# Altium PCB keyboard.PcbDoc (part 2 of 2) (continued)
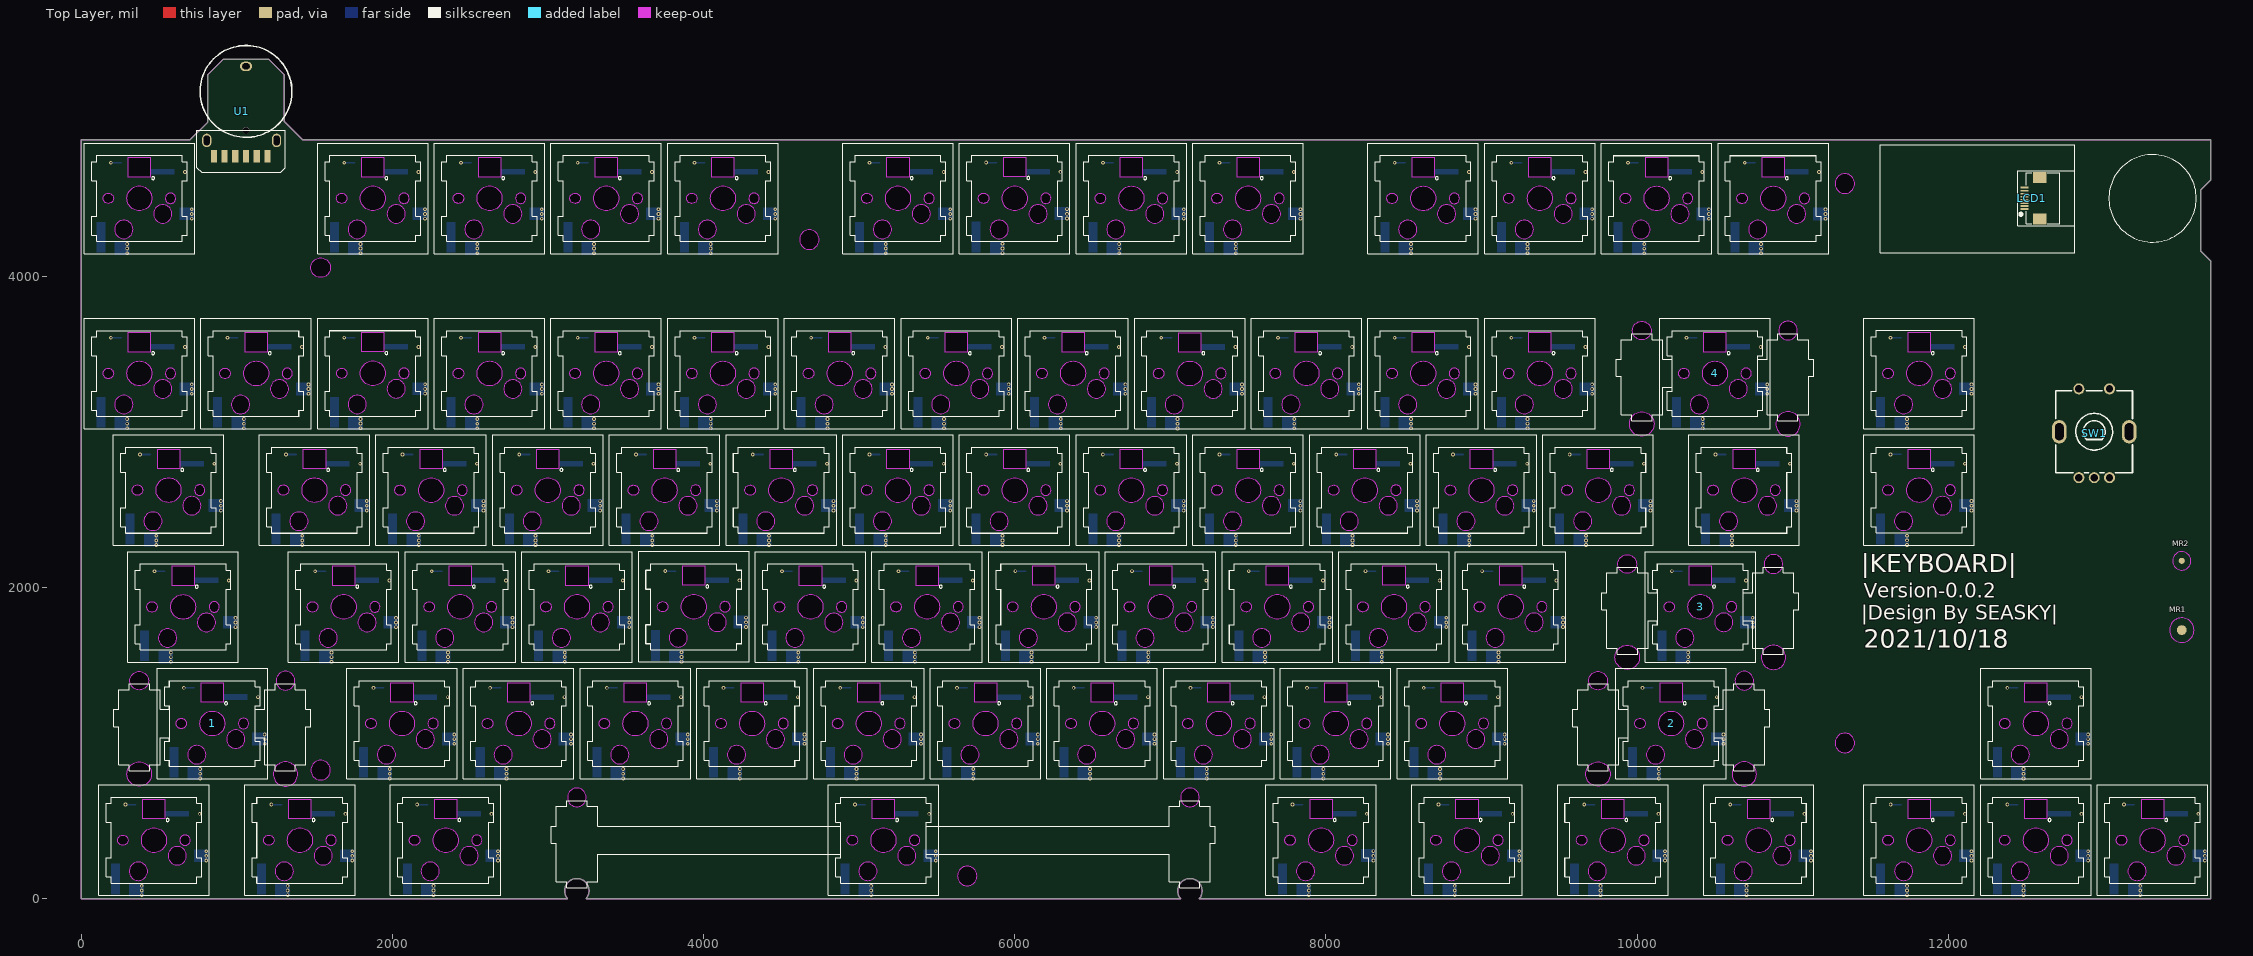
[diagram p0: Top Layer view]
## Nets (pads, with @x,y where several pads share a name; then routed paths per layer and width w, separated by ;. In a path a pad name is that pad's centre, name@x,y a point inside that pad or via, vN(x,y) a via of type N, cw(c..) or ccw(c..) an arc to the next point about the centre after c; other vN are vias at no path point) (continued)
NetRGB1_KEY7_4: RGB1_KEY6.6 RGB1_KEY7.4
NetRGB1_KEY8_4: RGB1_KEY7.6 RGB1_KEY8.4
NetRGB1_KEY9_4: RGB1_KEY8.6 RGB1_KEY9.4
NetRGB1_KEY10_4: RGB1_KEY9.6 RGB1_KEY10.4
NetRGB1_KEY11_4: RGB1_KEY10.6 RGB1_KEY11.4
NetRGB1_KEY12_4: RGB1_KEY11.6 RGB1_KEY12.4
NetRGB1_KEY14_4: RGB1_KEY13.6 RGB1_KEY14.4
NetRGB1_KEY15_4: RGB1_KEY14.6 RGB1_KEY15.4
NetRGB1_KEY16_4: RGB1_KEY15.6 RGB1_KEY16.4
NetRGB1_KEY17_4: RGB1_KEY16.6 RGB1_KEY17.4
NetRGB1_KEY18_4: RGB1_KEY17.6 RGB1_KEY18.4
NetRGB1_KEY19_4: RGB1_KEY18.6 RGB1_KEY19.4
NetRGB1_KEY20_4: RGB1_KEY19.6 RGB1_KEY20.4
NetRGB1_KEY21_4: RGB1_KEY20.6 RGB1_KEY21.4
NetRGB1_KEY22_4: RGB1_KEY21.6 RGB1_KEY22.4
NetRGB1_KEY23_4: RGB1_KEY22.6 RGB1_KEY23.4
NetRGB1_KEY24_4: RGB1_KEY23.6 RGB1_KEY24.4
NetRGB1_KEY25_4: RGB1_KEY24.6 RGB1_KEY25.4
NetRGB1_KEY27_4: RGB1_KEY26.6 RGB1_KEY27.4
NetRGB1_KEY28_4: RGB1_KEY27.6 RGB1_KEY28.4
NetRGB1_KEY29_4: RGB1_KEY28.6 RGB1_KEY29.4
NetRGB1_KEY30_4: RGB1_KEY29.6 RGB1_KEY30.4
NetRGB1_KEY31_4: RGB1_KEY30.6 RGB1_KEY31.4
NetRGB1_KEY32_4: RGB1_KEY31.6 RGB1_KEY32.4
NetRGB1_KEY33_4: RGB1_KEY32.6 RGB1_KEY33.4
NetRGB1_KEY34_4: RGB1_KEY33.6 RGB1_KEY34.4
NetRGB1_KEY35_4: RGB1_KEY34.6 RGB1_KEY35.4
NetRGB1_KEY36_4: RGB1_KEY35.6 RGB1_KEY36.4
NetRGB1_KEY37_4: RGB1_KEY36.6 RGB1_KEY37.4
NetRGB1_KEY38_4: RGB1_KEY37.6 RGB1_KEY38.4
NetRGB1_KEY39_4: RGB1_KEY38.6 RGB1_KEY39.4
NetRGB1_KEY41_4: RGB1_KEY40.6 RGB1_KEY41.4
NetRGB1_KEY42_4: RGB1_KEY41.6 RGB1_KEY42.4
NetRGB1_KEY43_4: RGB1_KEY42.6 RGB1_KEY43.4
NetRGB1_KEY44_4: RGB1_KEY43.6 RGB1_KEY44.4
NetRGB1_KEY45_4: RGB1_KEY44.6 RGB1_KEY45.4
NetRGB1_KEY46_4: RGB1_KEY45.6 RGB1_KEY46.4
NetRGB1_KEY47_4: RGB1_KEY46.6 RGB1_KEY47.4
NetRGB1_KEY48_4: RGB1_KEY47.6 RGB1_KEY48.4
NetRGB1_KEY49_4: RGB1_KEY48.6 RGB1_KEY49.4
NetRGB1_KEY50_4: RGB1_KEY49.6 RGB1_KEY50.4
NetRGB1_KEY51_4: RGB1_KEY50.6 RGB1_KEY51.4
NetRGB1_KEY52_4: RGB1_KEY51.6 RGB1_KEY52.4
NetRGB1_KEY53_4: RGB1_KEY52.6 RGB1_KEY53.4
NetRGB1_KEY55_4: RGB1_KEY54.6 RGB1_KEY55.4
NetRGB1_KEY56_4: RGB1_KEY55.6 RGB1_KEY56.4
NetRGB1_KEY57_4: RGB1_KEY56.6 RGB1_KEY57.4
NetRGB1_KEY58_4: RGB1_KEY57.6 RGB1_KEY58.4
NetRGB1_KEY59_4: RGB1_KEY58.6 RGB1_KEY59.4
NetRGB1_KEY60_4: RGB1_KEY59.6 RGB1_KEY60.4
NetRGB1_KEY61_4: RGB1_KEY60.6 RGB1_KEY61.4
NetRGB1_KEY62_4: RGB1_KEY61.6 RGB1_KEY62.4
NetRGB1_KEY63_4: RGB1_KEY62.6 RGB1_KEY63.4
NetRGB1_KEY64_4: RGB1_KEY63.6 RGB1_KEY64.4
NetRGB1_KEY65_4: RGB1_KEY64.6 RGB1_KEY65.4
NetRGB1_KEY66_4: RGB1_KEY65.6 RGB1_KEY66.4
NetRGB1_KEY67_4: RGB1_KEY66.6 RGB1_KEY67.4
NetRGB1_KEY69_4: RGB1_KEY68.6 RGB1_KEY69.4
NetRGB1_KEY70_4: RGB1_KEY69.6 RGB1_KEY70.4
NetRGB1_KEY71_4: RGB1_KEY70.6 RGB1_KEY71.4
NetRGB1_KEY72_4: RGB1_KEY71.6 RGB1_KEY72.4
NetRGB1_KEY73_4: RGB1_KEY72.6 RGB1_KEY73.4
NetRGB1_KEY74_4: RGB1_KEY73.6 RGB1_KEY74.4
NetRGB1_KEY75_4: RGB1_KEY74.6 RGB1_KEY75.4
NetRGB1_KEY76_4: RGB1_KEY75.6 RGB1_KEY76.4
NetRGB1_KEY77_4: RGB1_KEY76.6 RGB1_KEY77.4
NetRGB1_KEY78_4: RGB1_KEY78.4 RGB1_KEY80.6
NetRGB1_KEY79_4: RGB1_KEY77.6 RGB1_KEY79.4
NetRGB1_KEY80_4: RGB1_KEY79.6 RGB1_KEY80.4
RES: 5.35 LCD1.3
RS: 5.36 LCD1.4
SCL: 5.38 LCD1.6
SDA: 5.37 LCD1.5
SW_KEY_A: 5.4 SW1.A
SW_KEY_B: 5.3 SW1.B
SW_KEY_NET2: 5.5 SW1.2
VCC3V3: 5.33 C1_KEY1.1 C1_KEY2.1 C1_KEY3.1 C1_KEY4.1 C1_KEY5.1 C1_KEY6.1 C1_KEY7.1 C1_KEY8.1 C1_KEY9.1 C1_KEY10.1 C1_KEY11.1 C1_KEY12.1 C1_KEY13.1 C1_KEY14.1 C1_KEY15.1 C1_KEY16.1 C1_KEY17.1 C1_KEY18.1 C1_KEY19.1 C1_KEY20.1 C1_KEY21.1 C1_KEY22.1 C1_KEY23.1 C1_KEY24.1 C1_KEY25.1 C1_KEY26.1 C1_KEY27.1 C1_KEY28.1 C1_KEY29.1 C1_KEY30.1 C1_KEY31.1 C1_KEY32.1 C1_KEY33.1 C1_KEY34.1 C1_KEY35.1 C1_KEY36.1 C1_KEY37.1 C1_KEY38.1 C1_KEY39.1 C1_KEY40.1 C1_KEY41.1 C1_KEY42.1 C1_KEY43.1 C1_KEY44.1 C1_KEY45.1 C1_KEY46.1 C1_KEY47.1 C1_KEY48.1 C1_KEY49.1 C1_KEY50.1 C1_KEY51.1 C1_KEY52.1 C1_KEY53.1 C1_KEY54.1 C1_KEY55.1 C1_KEY56.1 C1_KEY57.1 C1_KEY58.1 C1_KEY59.1 C1_KEY60.1 C1_KEY61.1 C1_KEY62.1 C1_KEY63.1 C1_KEY64.1 C1_KEY65.1 C1_KEY66.1 C1_KEY67.1 C1_KEY68.1 C1_KEY69.1 C1_KEY70.1 C1_KEY71.1 C1_KEY72.1 C1_KEY73.1 C1_KEY74.1 C1_KEY75.1 C1_KEY76.1 C1_KEY77.1 C1_KEY78.1 C1_KEY79.1 C1_KEY80.1 RGB1_KEY1.3 RGB1_KEY2.3 RGB1_KEY3.3 RGB1_KEY4.3 RGB1_KEY5.3 RGB1_KEY6.3 RGB1_KEY7.3 RGB1_KEY8.3 RGB1_KEY9.3 RGB1_KEY10.3 RGB1_KEY11.3 RGB1_KEY12.3 RGB1_KEY13.3 RGB1_KEY14.3 RGB1_KEY15.3 RGB1_KEY16.3 RGB1_KEY17.3 RGB1_KEY18.3 RGB1_KEY19.3 RGB1_KEY20.3 RGB1_KEY21.3 RGB1_KEY22.3 RGB1_KEY23.3 RGB1_KEY24.3 RGB1_KEY25.3 RGB1_KEY26.3 RGB1_KEY27.3 RGB1_KEY28.3 RGB1_KEY29.3 RGB1_KEY30.3 RGB1_KEY31.3 RGB1_KEY32.3 RGB1_KEY33.3 RGB1_KEY34.3 RGB1_KEY35.3 RGB1_KEY36.3 RGB1_KEY37.3 RGB1_KEY38.3 RGB1_KEY39.3 RGB1_KEY40.3 RGB1_KEY41.3 RGB1_KEY42.3 RGB1_KEY43.3 RGB1_KEY44.3 RGB1_KEY45.3 RGB1_KEY46.3 RGB1_KEY47.3 RGB1_KEY48.3 RGB1_KEY49.3 RGB1_KEY50.3 RGB1_KEY51.3 RGB1_KEY52.3 RGB1_KEY53.3 RGB1_KEY54.3 RGB1_KEY55.3 RGB1_KEY56.3 RGB1_KEY57.3 RGB1_KEY58.3 RGB1_KEY59.3 RGB1_KEY60.3 RGB1_KEY61.3 RGB1_KEY62.3 RGB1_KEY63.3 RGB1_KEY64.3 RGB1_KEY65.3 RGB1_KEY66.3 RGB1_KEY67.3 RGB1_KEY68.3 RGB1_KEY69.3 RGB1_KEY70.3 RGB1_KEY71.3 RGB1_KEY72.3 RGB1_KEY73.3 RGB1_KEY74.3 RGB1_KEY75.3 RGB1_KEY76.3 RGB1_KEY77.3 RGB1_KEY78.3 RGB1_KEY79.3 RGB1_KEY80.3
VCC_LCD: 5.39 LCD1.7
WS2812_CTR1: 5.9 RGB1_KEY78.6
WS2812_CTR2: 5.8 RGB1_KEY53.6
WS2812_CTR3: 5.7 RGB1_KEY25.6
pads on no net: 5.0 LCD1.0 MR1.Mark MR2.Mark MR3.Mark MR4.Mark R1.2 R2.2 R3.2 SW1.MT1 SW1.MT2 U1. U1.7 U1.8

## Keep-outs
Keep-Out Layer:
  lines w6: 3125.8,-0.09 cw(c3186.2,50.05) 3246.67,0 7065.71,0 ; 3125.8,0 0,0 0,4875.01 700.01,4875.01 815,4990 815,5295 915,5395 1205,5395 1305,5295 1305,4995 1424.99,4875.01 13687.52,4875.01 13687.52,4618.77 13623.46,4554.72 13623.46,4160.31 13687.52,4096.25 13687.52,0 ; 7065.8,-0.09 cw(c7126.2,50.05) 7186.67,0 13687.52,0 ; 13687.52,0 13687.52,0

## Other copper
Bottom Layer:
  rectangle net VCC3V3: 5137.02,1277.11 5288.94,1312.99
  rectangle net KEY_POS4: 4903.68,761.89 4998.24,844.33
  rectangle net NetD1_KEY50_1: 4786.44,776.77 4844.28,974.17
  rectangle net KEY_SEG3: 5318.57,984.45 5413.13,1066.89
  rectangle net VCC3V3: 4012.34,2027.78 4164.26,2063.66
  rectangle net KEY_POS6: 3779,1512.56 3873.56,1595
  rectangle net NetD1_KEY48_1: 3661.76,1527.44 3719.6,1724.84
  rectangle net KEY_SEG3: 4193.88,1735.12 4288.44,1817.56
  rectangle net VCC3V3: 6074.34,2776.78 6226.26,2812.66
  rectangle net KEY_POS8: 5841,2261.56 5935.56,2344
  rectangle net NetD1_KEY32_1: 5723.76,2276.44 5781.6,2473.84
  rectangle net KEY_SEG4: 6255.88,2484.12 6350.44,2566.56
  rectangle net VCC3V3: 5324.34,2776.78 5476.26,2812.66
  rectangle net KEY_POS8: 5091,2261.56 5185.56,2344
  rectangle net NetD1_KEY46_1: 4973.76,2276.44 5031.6,2473.84
  rectangle net KEY_SEG3: 5505.88,2484.12 5600.44,2566.56
  rectangle net VCC3V3: 3261.74,2026.94 3413.66,2062.82
  rectangle net KEY_POS6: 3028.4,1511.72 3122.96,1594.16
  rectangle net NetD1_KEY62_1: 2911.16,1526.6 2969,1724
  rectangle net KEY_SEG2: 3443.28,1734.28 3537.84,1816.72
  rectangle net VCC3V3: 3637.02,1277.11 3788.94,1312.99
  rectangle net KEY_POS4: 3403.68,761.89 3498.24,844.33
  rectangle net NetD1_KEY64_1: 3286.44,776.77 3344.28,974.17
  rectangle net KEY_SEG2: 3818.57,984.45 3913.13,1066.89
  rectangle net VCC3V3: 8137.02,1277.11 8288.94,1312.99
  rectangle net KEY_POS3: 7903.68,761.89 7998.24,844.33
  rectangle net NetD1_KEY51_1: 7786.44,776.77 7844.28,974.17
  rectangle net KEY_SEG3: 8318.57,984.45 8413.13,1066.89
  rectangle net VCC3V3: 2418.02,527.11 2569.94,562.99
  rectangle net KEY_POS2: 2184.68,11.89 2279.24,94.33
  rectangle net NetD1_KEY52_1: 2067.44,26.77 2125.28,224.17
  rectangle net KEY_SEG3: 2599.57,234.45 2694.13,316.89
  rectangle net VCC3V3: 11886.99,2777.18 12038.91,2813.06
  rectangle net KEY_POS1: 11653.65,2261.96 11748.21,2344.4
  rectangle net NetD1_KEY53_1: 11536.41,2276.84 11594.25,2474.24
  rectangle net KEY_SEG3: 12068.53,2484.52 12163.09,2566.96
  rectangle net VCC3V3: 11886.99,3527.18 12038.91,3563.06
  rectangle net KEY_POS12: 11653.65,3011.96 11748.21,3094.4
  rectangle net NetD1_KEY1_1: 11536.41,3026.84 11594.25,3224.24
  rectangle net KEY_SEG6: 12068.53,3234.52 12163.09,3316.96
  rectangle net VCC3V3: 13387.02,527.11 13538.94,562.99
  rectangle net KEY_POS1: 13153.68,11.89 13248.24,94.33
  rectangle net NetD1_KEY12_1: 13036.44,26.77 13094.28,224.17
  rectangle net KEY_SEG6: 13568.57,234.45 13663.13,316.89
  rectangle net VCC3V3: 12637.02,527.11 12788.94,562.99
  rectangle net KEY_POS1: 12403.68,11.89 12498.24,94.33
  rectangle net NetD1_KEY25_1: 12286.44,26.77 12344.28,224.17
  rectangle net KEY_SEG5: 12818.57,234.45 12913.13,316.89
  rectangle net VCC3V3: 11887.02,527.11 12038.94,562.99
  rectangle net KEY_POS1: 11653.68,11.89 11748.24,94.33
  rectangle net NetD1_KEY39_1: 11536.44,26.77 11594.28,224.17
  rectangle net KEY_SEG4: 12068.57,234.45 12163.13,316.89
  rectangle net VCC3V3: 10856.02,527.11 11007.94,562.99
  rectangle net KEY_POS1: 10622.68,11.89 10717.24,94.33
  rectangle net NetD1_KEY67_1: 10505.44,26.77 10563.28,224.17
  rectangle net KEY_SEG2: 11037.57,234.45 11132.13,316.89
  rectangle net VCC3V3: 9918.02,527.11 10069.94,562.99
  rectangle net KEY_POS1: 9684.68,11.89 9779.24,94.33
  rectangle net NetD1_KEY78_1: 9567.44,26.77 9625.28,224.17
  rectangle net KEY_SEG1: 10099.57,234.45 10194.13,316.89
  rectangle net VCC3V3: 8981.02,527.11 9132.94,562.99
  rectangle net KEY_POS2: 8747.68,11.89 8842.24,94.33
  rectangle net NetD1_KEY11_1: 8630.44,26.77 8688.28,224.17
  rectangle net KEY_SEG6: 9162.57,234.45 9257.13,316.89
  rectangle net VCC3V3: 8043.51,527.16 8195.43,563.04
  rectangle net KEY_POS2: 7810.17,11.94 7904.73,94.38
  rectangle net NetD1_KEY24_1: 7692.93,26.82 7750.77,224.22
  rectangle net KEY_SEG5: 8225.05,234.5 8319.61,316.94
  rectangle net VCC3V3: 5231.02,527.11 5382.94,562.99
  rectangle net KEY_POS2: 4997.68,11.89 5092.24,94.33
  rectangle net NetD1_KEY38_1: 4880.44,26.77 4938.28,224.17
  rectangle net KEY_SEG4: 5412.57,234.45 5507.13,316.89
  rectangle net VCC3V3: 1481.02,527.11 1632.94,562.99
  rectangle net KEY_POS2: 1247.68,11.89 1342.24,94.33
  rectangle net NetD1_KEY66_1: 1130.44,26.77 1188.28,224.17
  rectangle net KEY_SEG2: 1662.57,234.45 1757.13,316.89
  rectangle net VCC3V3: 543.02,527.11 694.94,562.99
  rectangle net KEY_POS2: 309.68,11.89 404.24,94.33
  rectangle net NetD1_KEY80_1: 192.44,26.77 250.28,224.17
  rectangle net KEY_SEG1: 724.57,234.45 819.13,316.89
  rectangle net VCC3V3: 12637.02,1277.11 12788.94,1312.99
  rectangle net KEY_POS3: 12403.68,761.89 12498.24,844.33
  rectangle net NetD1_KEY10_1: 12286.44,776.77 12344.28,974.17
  rectangle net KEY_SEG6: 12818.57,984.45 12913.13,1066.89
  rectangle net VCC3V3: 10293.02,1277.11 10444.94,1312.99
  rectangle net KEY_POS3: 10059.68,761.89 10154.24,844.33
  rectangle net NetD1_KEY23_1: 9942.44,776.77 10000.28,974.17
  rectangle net KEY_SEG5: 10474.57,984.45 10569.13,1066.89
  rectangle net VCC3V3: 8887.02,1277.11 9038.94,1312.99
  rectangle net KEY_POS3: 8653.68,761.89 8748.24,844.33
  rectangle net NetD1_KEY37_1: 8536.44,776.77 8594.28,974.17
  rectangle net KEY_SEG4: 9068.57,984.45 9163.13,1066.89
  rectangle net VCC3V3: 7387.02,1277.11 7538.94,1312.99
  rectangle net KEY_POS3: 7153.68,761.89 7248.24,844.33
  rectangle net NetD1_KEY65_1: 7036.44,776.77 7094.28,974.17
  rectangle net KEY_SEG2: 7568.57,984.45 7663.13,1066.89
  rectangle net VCC3V3: 6637.02,1277.11 6788.94,1312.99
  rectangle net KEY_POS3: 6403.68,761.89 6498.24,844.33
  rectangle net NetD1_KEY79_1: 6286.44,776.77 6344.28,974.17
  rectangle net KEY_SEG1: 6818.57,984.45 6913.13,1066.89
  rectangle net VCC3V3: 5887.02,1277.11 6038.94,1312.99
  rectangle net KEY_POS4: 5653.68,761.89 5748.24,844.33
  rectangle net NetD1_KEY9_1: 5536.44,776.77 5594.28,974.17
  rectangle net KEY_SEG6: 6068.57,984.45 6163.13,1066.89
  rectangle net VCC3V3: 4387.02,1277.11 4538.94,1312.99
  rectangle net KEY_POS4: 4153.68,761.89 4248.24,844.33
  rectangle net NetD1_KEY22_1: 4036.44,776.77 4094.28,974.17
  rectangle net KEY_SEG5: 4568.57,984.45 4663.13,1066.89
  rectangle net VCC3V3: 9262.02,2027.11 9413.94,2062.99
  rectangle net KEY_POS4: 9028.68,1511.89 9123.24,1594.33
  rectangle net NetD1_KEY36_1: 8911.44,1526.77 8969.28,1724.17
  rectangle net KEY_SEG4: 9443.57,1734.45 9538.13,1816.89
  rectangle net VCC3V3: 2887.02,1277.11 3038.94,1312.99
  rectangle net KEY_POS4: 2653.68,761.89 2748.24,844.33
  rectangle net NetD1_KEY77_1: 2536.44,776.77 2594.28,974.17
  rectangle net KEY_SEG1: 3068.57,984.45 3163.13,1066.89
  rectangle net VCC3V3: 2137.02,1277.11 2288.94,1312.99
  rectangle net KEY_POS5: 1903.68,761.89 1998.24,844.33
  rectangle net NetD1_KEY8_1: 1786.44,776.77 1844.28,974.17
  rectangle net KEY_SEG6: 2318.57,984.45 2413.13,1066.89
  rectangle net VCC3V3: 918.51,1277.16 1070.43,1313.04
  rectangle net KEY_POS5: 685.17,761.94 779.73,844.38
  rectangle net NetD1_KEY21_1: 567.93,776.82 625.77,974.22
  rectangle net KEY_SEG5: 1100.05,984.5 1194.61,1066.94
  rectangle net VCC3V3: 10481.02,2027.11 10632.94,2062.99
  rectangle net KEY_POS5: 10247.68,1511.89 10342.24,1594.33
  rectangle net NetD1_KEY35_1: 10130.44,1526.77 10188.28,1724.17
  rectangle net KEY_SEG4: 10662.57,1734.45 10757.13,1816.89
  rectangle net VCC3V3: 8512.02,2027.11 8663.94,2062.99
  rectangle net KEY_POS5: 8278.68,1511.89 8373.24,1594.33
  rectangle net NetD1_KEY49_1: 8161.44,1526.77 8219.28,1724.17
  rectangle net KEY_SEG3: 8693.57,1734.45 8788.13,1816.89
  rectangle net VCC3V3: 7762.02,2027.11 7913.94,2062.99
  rectangle net KEY_POS5: 7528.68,1511.89 7623.24,1594.33
  rectangle net NetD1_KEY63_1: 7411.44,1526.77 7469.28,1724.17
  rectangle net KEY_SEG2: 7943.57,1734.45 8038.13,1816.89
  rectangle net VCC3V3: 7012.02,2027.11 7163.94,2062.99
  rectangle net KEY_POS5: 6778.68,1511.89 6873.24,1594.33
  rectangle net NetD1_KEY76_1: 6661.44,1526.77 6719.28,1724.17
  rectangle net KEY_SEG1: 7193.57,1734.45 7288.13,1816.89
  rectangle net VCC3V3: 6262.02,2027.11 6413.94,2062.99
  rectangle net KEY_POS6: 6028.68,1511.89 6123.24,1594.33
  rectangle net NetD1_KEY7_1: 5911.44,1526.77 5969.28,1724.17
  rectangle net KEY_SEG6: 6443.57,1734.45 6538.13,1816.89
  rectangle net VCC3V3: 5511.74,2026.94 5663.66,2062.82
  rectangle net KEY_POS6: 5278.4,1511.72 5372.96,1594.16
  rectangle net NetD1_KEY20_1: 5161.16,1526.6 5219,1724
  rectangle net KEY_SEG5: 5693.28,1734.28 5787.84,1816.72
  rectangle net VCC3V3: 4762.34,2026.78 4914.26,2062.66
  rectangle net KEY_POS6: 4529,1511.56 4623.56,1594
  rectangle net NetD1_KEY34_1: 4411.76,1526.44 4469.6,1723.84
  rectangle net KEY_SEG4: 4943.88,1734.12 5038.44,1816.56
  rectangle net VCC3V3: 2511.74,2026.94 2663.66,2062.82
  rectangle net KEY_POS6: 2278.4,1511.72 2372.96,1594.16
  rectangle net NetD1_KEY75_1: 2161.16,1526.6 2219,1724
  rectangle net KEY_SEG1: 2693.28,1734.28 2787.84,1816.72
  rectangle net VCC3V3: 1762.34,2026.78 1914.26,2062.66
  rectangle net KEY_POS7: 1529,1511.56 1623.56,1594
  rectangle net NetD1_KEY6_1: 1411.76,1526.44 1469.6,1723.84
  rectangle net KEY_SEG6: 1943.88,1734.12 2038.44,1816.56
  rectangle net VCC3V3: 730.46,2026.66 882.38,2062.54
  rectangle net KEY_POS7: 497.12,1511.44 591.68,1593.88
  rectangle net NetD1_KEY19_1: 379.88,1526.32 437.72,1723.72
  rectangle net KEY_SEG5: 912,1734 1006.56,1816.44
  rectangle net VCC3V3: 10762.34,2776.78 10914.26,2812.66
  rectangle net KEY_POS7: 10529,2261.56 10623.56,2344
  rectangle net NetD1_KEY33_1: 10411.76,2276.44 10469.6,2473.84
  rectangle net KEY_SEG4: 10943.88,2484.12 11038.44,2566.56
  rectangle net VCC3V3: 9824.34,2776.78 9976.26,2812.66
  rectangle net KEY_POS7: 9591,2261.56 9685.56,2344
  rectangle net NetD1_KEY47_1: 9473.76,2276.44 9531.6,2473.84
  rectangle net KEY_SEG3: 10005.88,2484.12 10100.44,2566.56
  rectangle net VCC3V3: 9074.34,2776.78 9226.26,2812.66
  rectangle net KEY_POS7: 8841,2261.56 8935.56,2344
  rectangle net NetD1_KEY61_1: 8723.76,2276.44 8781.6,2473.84
  rectangle net KEY_SEG2: 9255.88,2484.12 9350.44,2566.56
  rectangle net VCC3V3: 8324.34,2776.78 8476.26,2812.66
  rectangle net KEY_POS7: 8091,2261.56 8185.56,2344
  rectangle net NetD1_KEY74_1: 7973.76,2276.44 8031.6,2473.84
  rectangle net KEY_SEG1: 8505.88,2484.12 8600.44,2566.56
  rectangle net VCC3V3: 7574.34,2776.78 7726.26,2812.66
  rectangle net KEY_POS8: 7341,2261.56 7435.56,2344
  rectangle net NetD1_KEY5_1: 7223.76,2276.44 7281.6,2473.84
  rectangle net KEY_SEG6: 7755.88,2484.12 7850.44,2566.56
  rectangle net VCC3V3: 6824.34,2776.78 6976.26,2812.66
  rectangle net KEY_POS8: 6591,2261.56 6685.56,2344
  rectangle net NetD1_KEY18_1: 6473.76,2276.44 6531.6,2473.84
  rectangle net KEY_SEG5: 7005.88,2484.12 7100.44,2566.56
  rectangle net VCC3V3: 4574.34,2776.78 4726.26,2812.66
  rectangle net KEY_POS8: 4341,2261.56 4435.56,2344
  rectangle net NetD1_KEY60_1: 4223.76,2276.44 4281.6,2473.84
  rectangle net KEY_SEG2: 4755.88,2484.12 4850.44,2566.56
  rectangle net VCC3V3: 3824.34,2776.78 3976.26,2812.66
  rectangle net KEY_POS8: 3591,2261.56 3685.56,2344
  rectangle net NetD1_KEY73_1: 3473.76,2276.44 3531.6,2473.84
  rectangle net KEY_SEG1: 4005.88,2484.12 4100.44,2566.56
  rectangle net VCC3V3: 3074.34,2776.78 3226.26,2812.66
  rectangle net KEY_POS9: 2841,2261.56 2935.56,2344
  rectangle net NetD1_KEY4_1: 2723.76,2276.44 2781.6,2473.84
  rectangle net KEY_SEG6: 3255.88,2484.12 3350.44,2566.56
  rectangle net VCC3V3: 2324.34,2776.78 2476.26,2812.66
  rectangle net KEY_POS9: 2091,2261.56 2185.56,2344
  rectangle net NetD1_KEY17_1: 1973.76,2276.44 2031.6,2473.84
  rectangle net KEY_SEG5: 2505.88,2484.12 2600.44,2566.56
  rectangle net VCC3V3: 1574.58,2776.94 1726.5,2812.82
  rectangle net KEY_POS9: 1341.24,2261.72 1435.8,2344.16
  rectangle net NetD1_KEY31_1: 1224,2276.6 1281.84,2474
  rectangle net KEY_SEG4: 1756.12,2484.28 1850.68,2566.72
  rectangle net VCC3V3: 636.74,2776.94 788.66,2812.82
  rectangle net KEY_POS9: 403.4,2261.72 497.96,2344.16
  rectangle net NetD1_KEY45_1: 286.16,2276.6 344,2474
  rectangle net KEY_SEG3: 818.28,2484.28 912.84,2566.72
  rectangle net VCC3V3: 10574.58,3526.94 10726.5,3562.82
  rectangle net KEY_POS9: 10341.24,3011.72 10435.8,3094.16
  rectangle net NetD1_KEY59_1: 10224,3026.6 10281.84,3224
  rectangle net KEY_SEG2: 10756.12,3234.28 10850.68,3316.72
  rectangle net VCC3V3: 9449.51,3527.16 9601.43,3563.04
  rectangle net KEY_POS9: 9216.17,3011.94 9310.73,3094.38
  rectangle net NetD1_KEY72_1: 9098.93,3026.82 9156.77,3224.22
  rectangle net KEY_SEG1: 9631.05,3234.5 9725.61,3316.94
  rectangle net NetD1_KEY3_1: 7598.93,3026.82 7656.77,3224.22
  rectangle net KEY_POS10: 7716.17,3011.94 7810.73,3094.38
  rectangle net VCC3V3: 7949.51,3527.16 8101.43,3563.04
  rectangle net KEY_SEG6: 8131.05,3234.5 8225.61,3316.94
  rectangle net NetD1_KEY16_1: 8349.16,3026.6 8407,3224
  rectangle net KEY_POS10: 8466.4,3011.72 8560.96,3094.16
  rectangle net VCC3V3: 8699.74,3526.94 8851.66,3562.82
  rectangle net KEY_SEG5: 8881.28,3234.28 8975.84,3316.72
  rectangle net NetD1_KEY30_1: 6849.05,3026.38 6906.89,3223.78
  rectangle net KEY_POS10: 6966.29,3011.5 7060.85,3093.94
  rectangle net VCC3V3: 7199.63,3526.72 7351.55,3562.6
  rectangle net KEY_SEG4: 7381.17,3234.06 7475.73,3316.5
  rectangle net NetD1_KEY44_1: 6098.93,3026.82 6156.77,3224.22
  rectangle net KEY_POS10: 6216.17,3011.94 6310.73,3094.38
  rectangle net VCC3V3: 6449.51,3527.16 6601.43,3563.04
  rectangle net KEY_SEG3: 6631.05,3234.5 6725.61,3316.94
  rectangle net NetD1_KEY2_1: 5348.93,3026.82 5406.77,3224.22
  rectangle net KEY_POS11: 5466.17,3011.94 5560.73,3094.38
  rectangle net VCC3V3: 5699.51,3527.16 5851.43,3563.04
  rectangle net KEY_SEG6: 5881.05,3234.5 5975.61,3316.94
  rectangle net NetD1_KEY15_1: 4599.16,3026.6 4657,3224
  rectangle net KEY_POS11: 4716.4,3011.72 4810.96,3094.16
  rectangle net VCC3V3: 4949.74,3526.94 5101.66,3562.82
  rectangle net KEY_SEG5: 5131.28,3234.28 5225.84,3316.72
  rectangle net NetD1_KEY29_1: 3848.93,3026.82 3906.77,3224.22
  rectangle net KEY_POS11: 3966.17,3011.94 4060.73,3094.38
  rectangle net VCC3V3: 4199.51,3527.16 4351.43,3563.04
  rectangle net KEY_SEG4: 4381.05,3234.5 4475.61,3316.94
  rectangle net NetD1_KEY43_1: 3098.93,3026.82 3156.77,3224.22
  rectangle net KEY_POS11: 3216.17,3011.94 3310.73,3094.38
  rectangle net VCC3V3: 3449.51,3527.16 3601.43,3563.04
  rectangle net KEY_SEG3: 3631.05,3234.5 3725.61,3316.94
  rectangle net NetD1_KEY57_1: 2349,3026.6 2406.84,3224
  rectangle net KEY_POS11: 2466.24,3011.72 2560.8,3094.16
  rectangle net VCC3V3: 2699.58,3526.94 2851.5,3562.82
  rectangle net KEY_SEG2: 2881.12,3234.28 2975.68,3316.72
  rectangle net NetD1_KEY71_1: 849.16,3026.6 907,3224
  rectangle net KEY_POS10: 966.4,3011.72 1060.96,3094.16
  rectangle net VCC3V3: 1199.74,3526.94 1351.66,3562.82
  rectangle net KEY_SEG1: 1381.28,3234.28 1475.84,3316.72
  rectangle net NetD1_KEY70_1: 1599.05,3027.38 1656.89,3224.78
  rectangle net KEY_POS11: 1716.29,3012.5 1810.85,3094.94
  rectangle net VCC3V3: 1949.63,3527.72 2101.55,3563.6
  rectangle net KEY_SEG1: 2131.17,3235.06 2225.73,3317.5
  rectangle net NetD1_KEY14_1: 98.93,3026.82 156.77,3224.22
  rectangle net KEY_POS12: 216.17,3011.94 310.73,3094.38
  rectangle net VCC3V3: 449.51,3527.16 601.43,3563.04
  rectangle net KEY_SEG5: 631.05,3234.5 725.61,3316.94
  rectangle net NetD1_KEY58_1: 10598.76,4151.44 10656.6,4348.84
  rectangle net KEY_POS10: 10716,4136.56 10810.56,4219
  rectangle net VCC3V3: 10949.34,4651.78 11101.26,4687.66
  rectangle net KEY_SEG2: 11130.88,4359.12 11225.44,4441.56
  rectangle net NetD1_KEY28_1: 9848.76,4151.44 9906.6,4348.84
  rectangle net KEY_POS12: 9966,4136.56 10060.56,4219
  rectangle net VCC3V3: 10199.34,4651.78 10351.26,4687.66
  rectangle net KEY_SEG4: 10380.88,4359.12 10475.44,4441.56
  rectangle net NetD1_KEY42_1: 9098.93,4151.82 9156.77,4349.22
  rectangle net KEY_POS12: 9216.17,4136.94 9310.73,4219.38
  rectangle net VCC3V3: 9449.51,4652.16 9601.43,4688.04
  rectangle net KEY_SEG3: 9631.05,4359.5 9725.61,4441.94
  rectangle net NetD1_KEY56_1: 8349.16,4151.6 8407,4349
  rectangle net KEY_POS12: 8466.4,4136.72 8560.96,4219.16
  rectangle net VCC3V3: 8699.74,4651.94 8851.66,4687.82
  rectangle net KEY_SEG2: 8881.28,4359.28 8975.84,4441.72
  rectangle net NetD1_KEY69_1: 7223.93,4151.82 7281.77,4349.22
  rectangle net KEY_POS12: 7341.17,4136.94 7435.73,4219.38
  rectangle net VCC3V3: 7574.51,4652.16 7726.43,4688.04
  rectangle net KEY_SEG1: 7756.05,4359.5 7850.61,4441.94
  rectangle net NetD1_KEY13_1: 6474.16,4151.6 6532,4349
  rectangle net KEY_POS13: 6591.4,4136.72 6685.96,4219.16
  rectangle net VCC3V3: 6824.74,4651.94 6976.66,4687.82
  rectangle net KEY_SEG5: 7006.28,4359.28 7100.84,4441.72
  rectangle net NetD1_KEY27_1: 5723.93,4152.6 5781.77,4350
  rectangle net KEY_POS13: 5841.17,4137.72 5935.73,4220.16
  rectangle net VCC3V3: 6074.51,4652.94 6226.43,4688.82
  rectangle net KEY_SEG4: 6256.05,4360.28 6350.61,4442.72
  rectangle net NetD1_KEY41_1: 4973.93,4151.82 5031.77,4349.22
  rectangle net KEY_POS13: 5091.17,4136.94 5185.73,4219.38
  rectangle net VCC3V3: 5324.51,4652.16 5476.43,4688.04
  rectangle net KEY_SEG3: 5506.05,4359.5 5600.61,4441.94
  rectangle net NetD1_KEY55_1: 3848.93,4151.82 3906.77,4349.22
  rectangle net KEY_POS13: 3966.17,4136.94 4060.73,4219.38
  rectangle net VCC3V3: 4199.51,4652.16 4351.43,4688.04
  rectangle net KEY_SEG2: 4381.05,4359.5 4475.61,4441.94
  rectangle net NetD1_KEY68_1: 3098.93,4151.82 3156.77,4349.22
  rectangle net KEY_POS13: 3216.17,4136.94 3310.73,4219.38
  rectangle net VCC3V3: 3449.51,4652.16 3601.43,4688.04
  rectangle net KEY_SEG1: 3631.05,4359.5 3725.61,4441.94
  rectangle net KEY_SEG4: 2881.05,4359.5 2975.61,4441.94
  rectangle net KEY_POS14: 2466.17,4136.94 2560.73,4219.38
  rectangle net NetD1_KEY26_1: 2348.93,4151.82 2406.77,4349.22
  rectangle net VCC3V3: 2699.51,4652.16 2851.43,4688.04
  rectangle net KEY_SEG3: 2131.05,4359.5 2225.61,4441.94
  rectangle net KEY_POS14: 1716.17,4136.94 1810.73,4219.38
  rectangle net NetD1_KEY40_1: 1598.93,4151.82 1656.77,4349.22
  rectangle net VCC3V3: 1949.51,4652.16 2101.43,4688.04
  rectangle net KEY_SEG2: 631.05,4359.5 725.61,4441.94
  rectangle net VCC3V3: 449.51,4652.16 601.43,4688.04
  rectangle net KEY_POS14: 216.17,4136.94 310.73,4219.38
  rectangle net NetD1_KEY54_1: 98.93,4151.82 156.77,4349.22

## Silkscreen, mask and mechanical layers (free items; w line width, h text height)
Top Overlay:
  drawing of 1768 lines, arcs and shapes, not listed
  text "|KEYBOARD|" at 11441.28,2057.61 h200
  text "Version-0.0.2" at 11455,1901.7 h160
  text "|Design By SEASKY|" at 11441.28,1760.2 h160
  text "2021/10/18" at 11455,1572.12 h200
Bottom Overlay:
  text "EVQW2001" at 1435,4447.31 h100
Mechanical 1:
  circle w6: c3186.2,650.05 r60
  circle w6: c7126.2,650.05 r60
  circle w6: c5695,145 r62.99
  circle w6: c4680,4235 r62.99
  circle w6: c11335,999.85 r62.99
  circle w6: c11335,4595 r62.99
  circle w6: c1540,825 r62.99
  circle w6: c1540,4055 r62.99
  lines w6: 0,0 3125.8,-0.09 ; 0,0 0,4875.01 ; 0,0 3125.8,0 3125.8,-0.09 ; 0,0 0,4875.01 ; 0,4875.01 700.01,4875.01 815,4990 815,5295 915,5395 1205,5395 1305,5295 1305,4995 1424.99,4875.01 13687.52,4875.01 ; 3125.8,-0.09 cw(c3186.2,50.05) 3246.67,0 ; 3125.8,-0.09 cw(c3186.2,50.05) 3246.67,0 ; 3246.67,0 7065.8,-0.09 ; 3246.67,0 7065.71,0 ; 7065.71,0 7065.8,-0.09 ; 7065.71,0 7065.8,-0.09 ; 7065.8,-0.09 cw(c7126.2,50.05) 7186.67,0 ; 7065.8,-0.09 cw(c7126.2,50.05) 7186.67,0 ; 7186.67,0 13687.52,0 ; 7186.67,0 13687.52,0 ; 13623.46,4160.31 13687.52,4096.25 ; 13623.46,4160.31 13623.46,4554.72 ; 13623.46,4160.31 13623.46,4554.72 ; 13623.46,4160.31 13687.52,4096.25 ; 13623.46,4554.72 13687.52,4618.77 ; 13623.46,4554.72 13687.52,4618.77 ; 13687.52,0 13687.52,4096.25 ; 13687.52,0 13687.52,4096.25 ; 13687.52,0 13687.52,0 ; 13687.52,4618.77 13687.52,4875.01 ; 13687.52,4618.77 13687.52,4875.01 ; 13687.5,4875 13687.52,4875.01